# Allegro board 2522-mb-pro_vc.brd (continued)
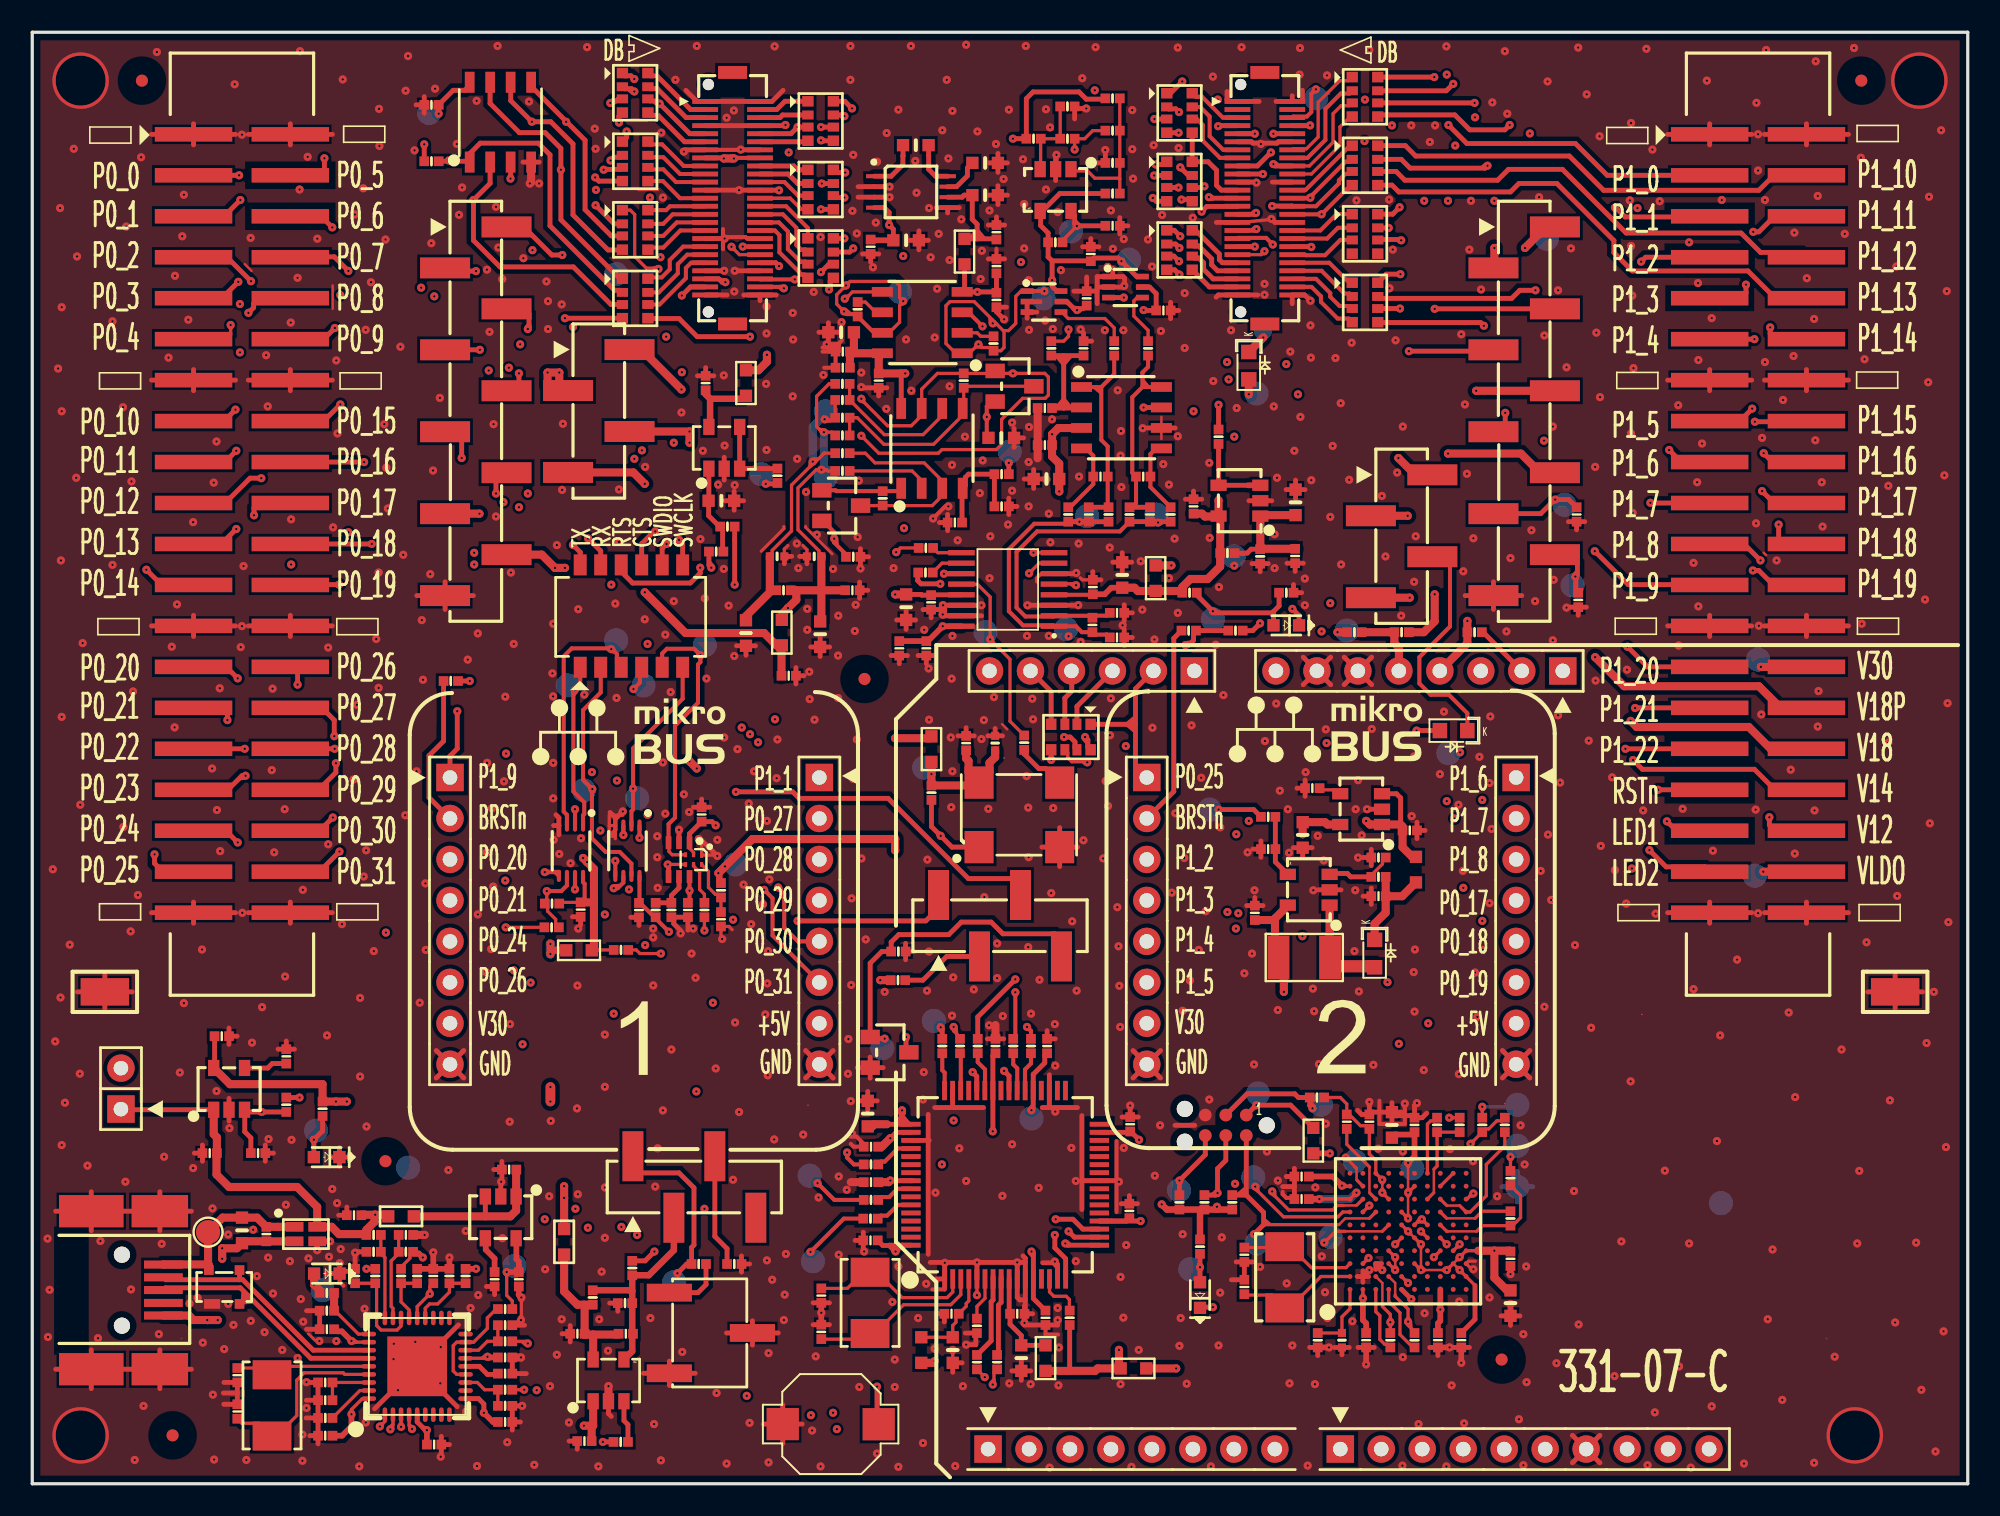
[diagram p0: board, top side]
## Routing (per net, layer and track width the routed paths; a pad name or vN(x,y) marks a point on that pad's centre or on a via; arc(x,y) is an arc through that point) (continued)
P0_9: length 48.8
  TOP w0.3: RN1.3 36.35,85.87 36.23,85.75 35.98,85.75 v1(35.84,85.61) ; v1(33.52,58.21) 33.98,57.76 33.98,56.98 ; J3.12 18.07,70.97 v1(18.76,71.66)
  L3_INT2 w0.15: v1(33.52,71.72) 32.65,71.72 32.27,72.1 19.2,72.1 v1(18.76,71.66)
  L5_INT4 w0.15: v1(33.52,58.21) v1(33.52,71.72) 33.52,80.42 35.84,82.74 v1(35.84,85.61)
P0_10: length 70.4
  TOP w0.3: v1(12.6,66.6) 11.89,65.89 J3.15 ; RN3.8 50.38,85.72 v1(50.83,85.28) ; 39.05,56.98 39.05,58.01 v1(39.33,58.27)
  L3_INT2 w0.15: v1(12.6,66.6) 14.79,68.79 27.14,68.79 29.47,71.12 v1(39.3,71.12)
  L5_INT4 w0.15: v1(50.83,85.28) 50.35,85.75 44.9,85.75 39.83,80.67 39.83,74.72 39.3,74.2 v1(39.3,71.12) 39.3,64.15 39.62,63.83 39.62,58.58 v1(39.33,58.27)
P0_11: length 67.3
  TOP w0.3: RN3.7 50.28,84.87 v1(50.35,84.8) ; 40.33,56.98 40.33,58.3 v1(40.1,58.52) ; v1(12.65,64.05) 11.95,63.35 J3.17
  L3_INT2 w0.15: v1(39.77,64.55) 39.75,64.58 13.18,64.58 v1(12.65,64.05)
  L5_INT4 w0.15: v1(50.35,84.8) 50.35,84.87 49.92,85.3 45.1,85.3 40.27,80.48 40.27,74.45 39.77,73.95 v1(39.77,64.55) 40.1,64.22 v1(40.1,58.52)
P0_12: length 93.8
  TOP w0.2: v1(29.35,34.5) 31.75,34.5
  TOP w0.3: J3.19 11.96,60.81 13.5,62.35 v1(14.2,62.35) ; RN1.1 36.76,87.3 37.12,87.3 v1(37.33,87.1)
  L3_INT2 w0.15: v1(14.2,62.35) 15.93,64.08 v1(37.8,64.08)
  L5_INT4 w0.15: v1(37.33,87.1) 37.8,86.62 v1(37.8,64.08) ; v1(29.35,34.5) 27.35,34.5 26.95,34.9 22.1,34.9 17.55,39.45 17.55,57.05 14.2,60.4 v1(14.2,62.35)
P0_13: length 53.6
  TOP w0.3: v1(37.33,86.33) 37.16,86.5 36.71,86.5 RN1.2 ; v1(12.65,59.2) 11.7,58.25 10.02,58.25 J3.21
  L3_INT2 w0.15: v1(37.33,63.55) 27.35,63.55 25.8,62 14.72,62 12.65,59.93 v1(12.65,59.2)
  L5_INT4 w0.15: v1(37.33,86.33) v1(37.33,63.55)
P0_14X: length 54.2
  TOP w0.3: J3.23 8.02,55.73 v1(7.08,56.67) ; v1(42.98,74.5) 42.77,74.5 42.56,74.71 J1.45
  L3_INT2 w0.15: v1(12.88,73.15) 29.8,73.15 30.6,73.95 35.6,73.95 36.15,74.5 v1(42.98,74.5)
  L5_INT4 w0.15: v1(7.08,56.67) 7.08,65.2 12.88,71 v1(12.88,73.15)
P0_15X: length 32
  TOP w0.3: J1.47 40.81,74.21 v1(40.27,73.67) ; v1(19.1,66.92) 18.07,65.89 J3.16
  L3_INT2 w0.15: v1(19.1,66.92) 20.45,68.28 32.88,68.28 33.52,68.92 v1(40.27,68.92)
  L5_INT4 w0.15: v1(40.27,73.67) v1(40.27,68.92)
P0_16: length 104.1
  TOP w0.3: RN4.7 v1(48.95,80.62) ; J8.3 61.27,37.08 60.83,37.52 58.03,37.52 53.06,42.5 47.55,42.5 47.15,42.9 v1(43.62,42.9) ; v1(20.57,63.35) J3.18
  L3_INT2 w0.15: v1(24.11,74.16) 24.67,74.72 28.4,74.72 33.43,79.75 36.62,79.75 37.1,79.28 47.6,79.28 48.95,80.62 v1(48.95,80.62) ; v1(43.62,42.9) 43.61,42.9 41.24,45.27 v1(29.38,45.27)
  L5_INT4 w0.15: v1(24.11,74.16) 20.57,70.62 v1(20.57,63.35) 20.57,52.3 27.6,45.27 v1(29.38,45.27)
P0_17: length 188.9
  TOP w0.3: RN4.5 v1(48.9,79.02) ; J3.20 14.05,60.81 13.75,60.51 v1(13.75,60.05)
  L3_INT2 w0.15: v1(21.93,34.17) 23.75,32.35 47.27,32.35 47.45,32.52 69.67,32.52 71.57,34.42 v1(74.62,34.42) 90.25,34.42 J18.4 ; v1(48.9,79.02) 48.9,79.02 48.12,78.25 33.5,78.25 29.45,74.2 24.82,74.2 24.32,73.7 v1(19.1,73.7)
  L5_INT4 w0.15: v1(19.1,73.7) 13.7,68.3 13.7,60.1 v1(13.75,60.05) 17,56.8 17,39.1 v1(21.93,34.17) ; v1(74.62,34.42) 74.62,19.82 70.45,15.65 70.45,6.2 J14.7
P0_18: length 177
  TOP w0.3: v1(50.35,79.75) 49.79,79.75 RN4.6 ; J3.22 21.05,58.27 v1(21.05,58.27)
  L3_INT2 w0.15: v1(24.93,73.62) 24.98,73.67 29.6,73.67 33.65,77.72 48.35,77.72 50.35,79.72 v1(50.35,79.75) ; v1(29.85,31.84) 47.41,31.84 47.75,32.17 49.85,32.17 50.02,32 67.97,32 68.15,32.17 70.4,32.17 72.18,33.95 v1(78.75,33.95) 90.35,33.95 90.67,33.63 J18.5
  L5_INT4 w0.15: J14.8 78.75,3.86 v1(78.75,33.95) ; v1(29.85,31.84) 29.85,49.48 v1(21.05,58.27) 21.05,70.4 24.27,73.62 v1(24.93,73.62)
P0_19: length 155.9
  TOP w0.3: J3.24 16.02,55.75 v1(19.02,55.75) ; RN2.2 36.47,82.25 36.05,82.25 v1(35.85,82.05)
  L3_INT2 w0.15: v1(84.03,31.1) 84.03,31.09 J18.6 ; v1(19.02,55.75) v1(35.9,55.75) 42.82,55.75 43.3,56.23 54.23,56.23 55.42,55.02 80.05,55.02 v1(80.47,54.6)
  L5_INT4 w0.15: v1(35.85,82.05) 35.9,82 v1(35.9,55.75) ; J12.1 81.1,13.57 84.33,16.8 84.33,26.75 84.03,27.05 v1(84.03,31.1) 84.03,48.77 83.5,49.3 83.5,51.58 v1(80.47,54.6)
P0_20: length 159.7
  TOP w0.3: RN2.1 36.85,83.48 v1(36.85,83.85) ; J3.27 12.03,50.65 v1(12.74,49.94)
  L3_INT2 w0.15: v1(37,36.85) 36.35,36.2 28.41,36.2 J15.3 25.84,38.65 17.73,38.65 12.68,43.7 12.68,49.87 v1(12.74,49.94) ; J12.2 82.39,3.4 49.9,3.4 v1(49.89,3.39)
  L5_INT4 w0.15: v1(49.89,3.39) 48.45,4.83 46.5,4.83 37,14.32 v1(37,36.85) 37.18,37.03 37.18,42.31 37.75,42.88 37.75,49.65 37.35,50.05 37.35,62.62 36.85,63.12 v1(36.85,83.85)
P0_21: length 157.2
  TOP w0.3: v1(35.42,81.47) 35.45,81.5 36.47,81.5 RN2.3 ; v1(12.1,47.35) 12.1,47.81 11.8,48.11 J3.29
  L3_INT2 w0.15: v1(12.1,47.35) 12.1,43.55 19.48,36.17 J15.4 27.58,36.17 28.12,35.62 35.17,35.62 v1(35.5,35.3) ; J12.3 84.43,3.9 48.62,3.9 v1(48.27,4.25)
  L5_INT4 w0.15: v1(35.42,81.47) 35.42,51.12 35.7,50.85 35.7,39.47 35.5,39.27 v1(35.5,35.3) 35.5,28.85 36.05,28.3 36.05,14.45 46.25,4.25 v1(48.27,4.25)
P0_22X: length 66.3
  TOP w0.3: J1.42 46.09,75.71 v1(46.3,75.5) ; v1(13.18,45.57) J3.31
  L3_INT2 w0.15: v1(13.18,45.57) 15.01,47.4 v1(46.05,47.4)
  L5_INT4 w0.15: v1(46.05,47.4) 46.12,47.48 46.12,74.85 46.3,75.03 v1(46.3,75.5)
P0_23X: length 68.2
  TOP w0.2: J1.40 43.84,76.21 v1(43.35,76.7)
  TOP w0.3: J3.33 12.13,43.03 13,43.9 v1(13.22,43.9)
  L3_INT2 w0.15: v1(43.99,46.89) 43.95,46.85 15.25,46.85 13.22,44.82 v1(13.22,43.9)
  L5_INT4 w0.15: v1(43.99,46.89) 44.02,46.92 44.02,76.03 v1(43.35,76.7)
P0_24: length 154
  TOP w0.2: RN10.1 37.08,78.97 37.35,78.7 37.35,76.1 38.07,75.38 38.77,75.38 v1(38.83,75.33)
  TOP w0.3: J3.35 12.01,40.49 v1(12.74,39.76)
  L3_INT2 w0.15: v1(38,33.4) 38,33.42 37.48,33.95 28.22,33.95 27.9,33.63 J15.5 24,35.52 16.98,35.52 v1(12.74,39.76) ; J12.4 86.47,4.4 v1(49.65,4.4)
  L5_INT4 w0.15: v1(49.65,4.4) 48.62,5.42 46.62,5.42 38,14.05 v1(38,33.4) 38,36.02 38.17,36.2 38.17,40.67 38.62,41.12 38.62,58.3 39.15,58.83 39.15,63.48 38.83,63.8 v1(38.83,75.33)
P0_25: length 61.4
  TOP w0.3: v1(7.58,39.02) 7.58,38.47 8.1,37.95 J3.37 ; RN13.4 v1(33.02,72.27)
  L3_INT2 w0.15: v1(12.88,70.15) 15.38,72.65 32.65,72.65 v1(33.02,72.27)
  L5_INT4 w0.15: v1(7.58,39.02) 7.58,64.86 v1(12.88,70.15)
P0_26: length 184.6
  TOP w0.3: J3.28 16.15,50.65 16.45,50.35 v1(16.45,49.55) ; v1(50.4,81.3) 49.84,81.3 RN4.8
  L3_INT2 w0.15: v1(31.27,5.8) 32.15,4.92 88.48,4.92 J12.5 ; v1(50.4,81.3) 47.88,78.78 33.3,78.78 v1(31.01,76.49) ; v1(30.9,31.07) 30.89,31.09 J15.6
  L5_INT4 w0.15: v1(31.01,76.49) 31.3,76.2 31.3,61.11 30.9,60.71 v1(30.9,31.07) 30.9,12.88 31.27,12.5 v1(31.27,5.8) ; v1(16.45,49.55) 16.45,38.75 24.11,31.09 J15.6
P0_27: length 157.8
  TOP w0.3: J3.30 17.96,48.11 18.73,47.35 v1(18.73,46.35) ; v1(50.35,77.22) RN11.8
  L3_INT2 w0.15: v1(87.7,42.33) 87.2,42.33 87.05,42.48 68.6,42.48 67.38,41.25 J16.2 46.82,41.25 41.77,46.3 18.77,46.3 v1(18.73,46.35)
  L5_INT4 w0.15: J12.6 93.8,21.63 87.7,27.73 v1(87.7,42.33) ; J16.2 50.32,41.25 51.88,42.8 51.88,73.97 50.35,75.5 v1(50.35,77.22)
P0_28: length 163
  TOP w0.3: v1(50.9,76.6) 50.67,76.37 RN11.7 ; v1(18.75,45.57) J3.32
  L3_INT2 w0.15: v1(88.17,41.25) 86.55,39.62 70.65,39.62 70.32,39.95 68.45,39.95 67.72,40.67 50.77,40.67 J16.3 48.59,38.71 41.55,45.75 18.98,45.75 18.8,45.57 v1(18.75,45.57)
  L5_INT4 w0.15: J16.3 52.35,42.26 52.35,74.25 50.9,75.7 v1(50.9,76.6) ; J12.9 94.44,9.13 94.44,21.79 88.17,28.05 v1(88.17,41.25)
P0_29: length 181.2
  TOP w0.3: v1(34.9,81) 35.13,80.77 RN2.4 ; v1(18.82,44.67) 18.82,44.1 17.8,43.08 16.05,43.08 J3.34
  L3_INT2 w0.15: J12.10 100.66,5.45 v1(44.3,5.45) ; v1(18.82,44.67) 19.35,45.2 26.52,45.2 27.6,44.12 v1(34.7,44.12) 40.48,44.12 48.43,36.17 J16.4
  L5_INT4 w0.15: v1(34.9,81) 34,80.1 34,58.37 34.45,57.92 34.45,50.55 34.7,50.3 v1(34.7,44.12) 34.25,43.67 34.25,42.8 34.66,42.39 34.66,39.44 34.95,39.15 34.95,14.8 v1(44.3,5.45)
P0_30: length 81.8
  TOP w0.25: v1(46.25,36.98) 46.62,36.6 46.62,34.48 47.47,33.63 J16.5
  TOP w0.3: RN1.4 36.38,84.81 v1(36.38,84.4) ; v1(18.64,41.31) 17.82,40.49 J3.36
  L3_INT2 w0.15: v1(46.25,36.98) 46.25,37.63 40.28,43.6 v1(36.25,43.6) 31.92,43.6 30.85,42.52 19.85,42.52 v1(18.64,41.31)
  L5_INT4 w0.15: v1(36.38,84.4) 36.38,62.85 36.88,62.35 36.88,49.68 36.8,49.6 36.8,44.15 v1(36.25,43.6)
P0_31: length 80.2
  TOP w0.25: J16.6 45.9,33.99 45.9,36.3 v1(45.38,36.83)
  TOP w0.3: v1(34.92,79.28) 36.08,78.12 RN10.2 ; J3.38 17.8,37.95 v1(19.05,39.2)
  L3_INT2 w0.15: v1(45.38,36.83) 42.77,39.42 36.3,39.42 v1(35.23,40.5) 32.17,40.5 31.65,39.98 19.82,39.98 v1(19.05,39.2)
  L5_INT4 w0.15: v1(35.23,40.5) 35.2,40.52 35.2,50.65 34.92,50.93 v1(34.92,79.28)
P1_0: length 95.6
  TOP w0.3: J4.3 97.64,81.13 95.67,83.1 88.95,83.1 v1(87.8,84.25) ; v1(41.41,56.8) 41.41,56.46 40.8,55.85 37.22,55.85 36.52,56.55 36.52,56.98 ; v1(69.58,84.62) RN5.3
  L3_INT2 w0.15: v1(87.8,84.25) 87.33,84.72 72.62,84.72 72.3,84.4 70.88,84.4 70.66,84.62 v1(69.58,84.62) 69.57,84.62 51,84.62 48.92,82.55 v1(46.9,82.55)
  L5_INT4 w0.15: v1(46.9,82.55) 42.42,78.08 42.42,74.25 43.52,73.15 43.52,63.8 43.08,63.35 43.08,58.88 41.41,57.21 v1(41.41,56.8)
P1_1: length 23.5
  TOP w0.3: RN7.6 v1(89.42,85.62) ; v1(98.12,79.12) 98.17,79.12 98.75,78.55 103.96,78.55 J4.5
  L5_INT4 w0.15: v1(98.12,79.12) 95.92,79.12 v1(89.42,85.62)
P1_6: length 50.8
  TOP w0.3: J4.17 102.24,63.35 v1(101.49,64.1) ; RN5.4 v1(71.08,83.77)
  L3_INT2 w0.15: v1(71.08,83.77) 71.22,83.62 74.65,83.62 75.22,84.2 78.4,84.2 78.88,83.72 v1(92.85,83.72)
  L5_INT4 w0.15: v1(92.85,83.72) 96.4,80.17 99.35,80.17 101.49,78.04 v1(101.49,64.1)
P1_9: length 41.7
  TOP w0.3: v1(96.88,57.83) 98.95,55.75 103.98,55.75 J4.23 ; RN8.7 84.88,82.12 85.42,81.58 90.08,81.58 v1(90.22,81.72)
  L5_INT4 w0.15: v1(96.88,57.83) 91.85,62.85 91.85,80.1 v1(90.22,81.72)
P1_10: length 28.1
  TOP w0.3: J4.4 107.98,81.13 107.05,80.2 97.42,80.2 95.3,82.33 85.78,82.33 85.13,82.97 RN8.8
P1_11: length 27.3
  TOP w0.3: J4.6 109.97,78.62 108.05,78.62 107.05,77.62 v1(106.7,77.62) ; RN12.7 v1(84.1,77.87)
  L3_INT2 w0.15: v1(106.7,77.62) 97.62,77.62 97.17,78.08 84.31,78.08 v1(84.1,77.87)
P1_12: length 29.3
  TOP w0.3: J4.8 109.7,76.35 107.15,76.35 105.95,77.55 98.82,77.55 94.87,81.5 91.52,81.5 90.85,80.83 85.1,80.83 84.56,81.37 RN8.6
P1_13: length 30.4
  TOP w0.3: RN8.5 84.3,80.52 84.72,80.1 91.65,80.1 92.18,80.62 94.53,80.62 98.06,77.09 98.06,76.34 99.2,75.2 106.37,75.2 108.06,73.51 J4.10
P1_14: length 35.3
  TOP w0.3: J4.12 108.1,70.97 107.75,71.32 v1(107.75,71.7) ; RN12.8 84.34,78.72 v1(84.78,79.15)
  L3_INT2 w0.15: v1(84.78,79.15) 84.85,79.08 97.2,79.08 98.38,80.25 105.9,80.25 107.75,78.4 v1(107.75,71.7)
P1_15: length 44.2
  TOP w0.3: RN6.2 70.88,76.87 v1(71.12,76.62) ; v1(106.8,65.85) 109.96,65.85 J4.16
  L3_INT2 w0.15: v1(106.8,65.85) 106.15,65.85 96.05,75.95 71.8,75.95 v1(71.12,76.62)
P1_16: length 44.9
  TOP w0.3: v1(71.1,75.8) 70.78,76.12 RN6.3 ; J4.18 107.9,63.35 v1(107.35,63.9)
  L3_INT2 w0.15: v1(107.35,63.9) 95.78,75.47 71.42,75.47 v1(71.1,75.8)
P1_17: length 46.2
  TOP w0.3: J4.20 107.99,60.81 v1(107.25,61.55) ; v1(71.12,74.97) 70.83,75.27 RN6.4
  L3_INT2 w0.15: v1(71.12,74.97) 84.1,74.97 84.55,74.53 95.17,74.53 107.25,62.45 v1(107.25,61.55)
P1_18: length 38.7
  TOP w0.3: v1(108.28,59.48) 108.28,58.57 108.58,58.27 J4.22 ; RN12.6 83.45,77.15 84.83,77.15 v1(84.88,77.1)
  L3_INT2 w0.15: v1(108.28,59.48) 108.28,65.82 97,77.1 v1(84.88,77.1)
P1_19: length 39.9
  TOP w0.3: v1(106.67,56.63) 107.04,56.63 107.94,55.73 J4.24 ; RN15.8 83.95,75 v1(84.83,75)
  L3_INT2 w0.15: v1(84.83,75) 95.45,75 107.75,62.7 107.75,58.55 106.67,57.47 v1(106.67,56.63)
P1_20: length 40.1
  TOP w0.3: J4.27 100.15,50.65 v1(98.9,51.9) ; RN15.7 83.54,73.5 91.73,73.5 92.23,74 v1(93.2,74)
  L5_INT4 w0.15: v1(98.9,51.9) 98.9,58.65 93.2,64.35 v1(93.2,74)
P1_21: length 37.2
  TOP w0.3: J4.29 99.39,48.11 v1(99.38,48.1) ; RN15.6 v1(84.8,72.87)
  L3_INT2 w0.15: v1(84.8,72.87) 85.53,72.87 v1(93.73,64.67)
  L5_INT4 w0.15: v1(93.73,64.67) 99.38,59.03 v1(99.38,48.1)
P1_22: length 41.8
  TOP w0.3: RN15.5 83.44,72 89.8,72 v1(90,71.8) ; v1(98.78,45.57) J4.31
  L5_INT4 w0.15: v1(90,71.8) 90,62.8 96.28,56.52 96.28,48.07 v1(98.78,45.57)
PA4: length 3.8
  TOP w0.2: U4.G10 86.5,22.3 86.7,22.5 86.9,22.5 R8.2
PA15: length 7.8
  TOP w0.152: 89.55,15.65 87.75,15.65
  TOP w0.2: U4.H6 87.7,15.65 87.75,15.65 ; R15.2 92.28,17.88 92.28,16.5 91.78,16 R14.1 89.9,16 89.55,15.65
PA17: length 8
  TOP w0.152: 88.5,17.25 87.7,17.25
  TOP w0.2: R16.2 91.3,20.95 90.15,19.8 90.15,17.85 89.15,16.85 U4.K7 88.5,17.25 ; 87.7,17.25 U4.H8
PA18: length 4.7
  TOP w0.152: 89.46,16.46 87.69,16.46
  TOP w0.2: 87.69,16.46 U4.H7 ; R14.2 91.65,16.9 89.9,16.9 89.46,16.46
PA22: length 11.3
  TOP w0.2: v1(89.17,21.07) R17.2 90.1,22 90.3,22 90.8,22.5 91.1,22.5 R16.1 ; U4.H4 v1(86.9,14.05)
  L3_INT2 w0.15: v1(89.17,21.07) 88.85,20.75 88.85,18.45 86.97,16.57 86.97,14.12 v1(86.9,14.05)
PA29: length 14.2
  TOP w0.3: v1(73.2,10.95) 72.44,10.95 D2.1 ; U4.E1 v1(85.5,11.45)
  L3_INT2 w0.15: v1(73.2,10.95) 82.95,10.95 83.45,11.45 v1(85.5,11.45)
PWM1: length 56.7
  TOP w0.3: RN9.2 v1(69.56,81.12)
  L3_INT2 w0.15: v1(67.8,45.74) 62.59,45.74 61.58,44.73 49.73,44.73 J16.1
  L5_INT4 w0.15: v1(67.8,45.74) 67.8,49.2 68.2,49.6 68.2,79.78 69.55,81.12 v1(69.56,81.12)
PWM2: length 56.8
  TOP w0.3: RN9.1 70.17,81.8 v1(69.65,81.8)
  L3_INT2 w0.15: v1(69.65,81.8) 70.42,81.03 73.3,81.03 74.12,80.2 85.65,80.2 v1(86.3,79.55)
  L5_INT4 w0.15: v1(86.3,79.55) 86.3,55.02 89.53,51.8 90.08,51.8 91.1,50.78 91.1,44.69 J18.1
PWR_ENABLE: length 161.5
  TOP w0.2: R129.2 30.59,8.83 v1(30.73,8.7) ; v1(30.5,5.83) R124.2
  TOP w0.3: R24.2 v1(35.38,2.6) ; R71.2 v1(16.57,23.95) ; v1(73.55,41.8) 75.73,41.8 R85.1
  L3_INT2 w0.15: v1(29.55,69.2) 29.73,69.38 69.12,69.38 v1(72,66.5) ; v1(30.5,5.83) 30.5,5.83 33.72,2.6 35.37,2.6 v1(35.38,2.6) ; v1(16.57,23.95) 19.88,27.25 v1(30.4,27.25)
  L5_INT4 w0.15: v1(72,66.5) 72,53.25 70.95,52.2 70.95,44.4 v1(73.55,41.8) ; v1(30.5,5.83) 30.82,6.16 30.82,8.6 v1(30.73,8.7) 30.8,8.78 30.8,12.12 30.4,12.53 v1(30.4,27.25) 30.4,59.55 29.7,60.25 29.7,69.05 v1(29.55,69.2)
RSTN: length 68.5
  TOP w0.25: J2.6 78.19,84.78 79.03,84.78 79.3,85.05 79.3,86.17 v1(79.59,86.46)
  TOP w0.3: v1(85.83,46.7) D3.2 ; v1(100.8,43.03) J4.33
  L3_INT2 w0.15: v1(85.83,46.7) 93.83,46.7 97.5,43.03 v1(100.8,43.03)
  L5_INT4 w0.15: v1(79.59,86.46) 82.15,83.9 82.73,83.9 85.83,80.8 85.83,59.6 84.85,58.62 84.85,54.58 86,53.42 86,49.9 85.83,49.73 v1(85.83,46.7)
  BOTTOM w0.15: 80.4,86.2 v1(79.59,86.46)
SWO/TDO: length 17.2
  TOP w0.152: 81.31,17.26 82.11,17.26 82.15,17.3
  TOP w0.2: 81.31,17.26 80.91,17.26 80.62,16.98 77.9,16.98 76.88,18 v1(76.88,18.12) ; 82.15,17.3 U4.B8
  TOP w0.3: J7.6 72.73,20.41 v1(71.12,18.8) R13.2
  L3_INT2 w0.15: v1(76.88,18.12) 75.83,19.18 71.5,19.18 v1(71.12,18.8)
T_RESET: length 77.4
  TOP w0.2: v1(87.85,22.7) R9.1 ; R81.2 57.52,27.68 57.12,28.08 v1(57.12,28.32)
  TOP w0.5: J10.4 v1(85.4,54.94)
  L3_INT2 w0.15: v1(57.12,22.52) 68.33,22.52 71.17,19.68 76.75,19.68 79.95,22.88 87.67,22.88 v1(87.85,22.7)
  L5_INT4 w0.15: v1(57.12,28.32) v1(57.12,22.52) ; v1(85.4,54.94) 88.53,51.81 v1(88.53,45.35) 88.53,43.88 87.22,42.58 87.22,23.38 87.85,22.75 v1(87.85,22.7)
T_SWCLK: length 68.1
  TOP w0.2: v1(89.9,23.38) R17.1
  TOP w0.25: v1(36.05,36.92) 36.3,36.92 36.65,37.28 U22.6
  L3_INT2 w0.15: v1(36.05,29.15) 40.35,24.85 88.42,24.85 v1(89.9,23.38)
  L5_INT4 w0.15: v1(36.05,36.92) v1(36.05,29.15)
  BOTTOM w0.2: TP77.1 91.95,23.38 v1(89.9,23.38)
T_SWDIO: length 73.3
  TOP w0.2: v1(38.98,32.88) 37.67,32.88 37.45,33.1 R1.2 ; U3.4 39.45,38.4 ; R15.1 v1(91.65,20.27)
  TOP w0.3: v1(39.4,38.4) 39.45,38.4 U21.4
  L3_INT2 w0.15: v1(91.65,20.27) 91.65,20.93 88.25,24.32 v1(41.17,24.32)
  L5_INT4 w0.15: v1(39.4,38.4) 39.4,34.85 38.98,34.42 v1(38.98,32.88) 41.17,30.68 v1(41.17,24.32)
  BOTTOM w0.5: TP76.1 v1(91.65,20.27)
TCK/SWCLK: length 14
  TOP w0.2: U4.A7 81.25,16.85 80.95,16.55 77.58,16.55 75.83,18.3 v1(75.83,18.43)
  TOP w0.3: J7.4 74,20.05 73.49,19.54 v1(73.49,18.02) 73.36,17.9 R11.2
  L3_INT2 w0.15: v1(73.49,18.02) 75.42,18.02 v1(75.83,18.43)
TDI: length 2.2
  TOP w0.152: 82.11,19.56 82.11,18.84 82.15,18.8
  TOP w0.2: v1(81.44,20.23) 82.11,19.56 ; 82.15,18.8 U4.B9
TDIIN: length 5
  TOP w0.2: v1(89.35,18) 89.3,18 88.95,17.65 U4.K8 ; U4.H5 v1(87.7,14.85)
  L3_INT2 w0.15: v1(87.7,14.85) 87.7,16.35 v1(89.35,18)
TMS/SWDIO: length 15
  TOP w0.152: 82.9,16.45 81.4,16.45 81.02,16.07
  TOP w0.2: 81.02,16.07 76.34,16.07 ; U4.C7 82.9,16.45
  TOP w0.3: 75.27,17.9 76.34,16.82 76.34,16.07 v1(75.75,15.47) ; 75.27,17.9 J7.2 ; 75.27,17.9 R10.2
TRSTIN: length 1.1
  TOP w0.2: U4.H9 U4.J10
U_CTS: length 54.8
  TOP w0.25: U22.3 v1(36.65,40.23)
  TOP w0.3: v1(64.25,15.65) 64.61,15.29 U12.18
  L3_INT2 w0.15: v1(64.25,15.65) 63.98,15.93 v1(36.52,15.93)
  L5_INT4 w0.15: v1(36.65,40.23) 36.65,37.8 36.52,37.67 v1(36.52,15.93)
U_RTS: length 58.6
  TOP w0.25: U23.5 32.65,37.94 31.77,37.94 v1(31.77,37.92) 32.41,37.92 U23.5
  TOP w0.3: U12.19 65.14,15.79 64.53,16.4 v1(63.45,16.4)
  L3_INT2 w0.15: v1(31.77,16.4) v1(63.45,16.4)
  L5_INT4 w0.15: v1(31.77,37.92) 31.43,37.58 31.43,16.75 v1(31.77,16.4)
U_RX: length 54.4
  TOP w0.25: v1(37.65,40.05) U22.1
  TOP w0.3: v1(63.4,15.43) 63.4,14.62 64.07,13.96 U12.16
  L3_INT2 w0.15: v1(37.5,15.43) v1(63.4,15.43)
  L5_INT4 w0.15: v1(37.5,15.43) 37.5,36.35 37.65,36.5 v1(37.65,40.05)
U_TX: length 54.3
  TOP w0.25: U23.7 v1(33.65,36.85)
  TOP w0.3: U12.17 64.21,14.79 64.1,14.9 v1(64.05,14.9)
  L3_INT2 w0.15: v1(34.45,15.88) 35.7,15.88 36.62,14.95 64,14.95 v1(64.05,14.9)
  L5_INT4 w0.15: v1(33.65,36.85) 34.45,36.05 v1(34.45,15.88)
UCTS: length 14.3
  TOP w0.25: v1(37.27,49.27) 37.67,49.67 37.67,50.52 S1.4 ; v1(36.15,38.62) U22.5
  L5_INT4 w0.15: v1(36.15,38.62) 36.15,42.8 37.27,43.92 v1(37.27,49.27)
  BOTTOM w0.15: TP52.1 37.41,49.45 37.27,49.29 v1(37.27,49.27)
URTS: length 15.2
  TOP w0.25: U23.3 33.15,41.48 32.95,41.68 32.95,51.3 33.45,51.8 35.85,51.8 v1(35.9,51.75) 35.95,51.75 36.25,51.45 36.25,50.89 S1.3
URX: length 15.2
  TOP w0.25: S1.2 35.24,49.06 34.15,47.97 34.15,43.65 v1(34.73,43.08) 34.7,43.05 34.7,40.03 35.55,39.17 36.42,39.17 37.15,38.45 U22.7
USBDM: length 15.2
  TOP w0.3: U11.30 17.42,8.28 13.05,12.65 12.82,12.65 ; 12.82,12.65 12.85,12.68 D7.3 ; 12.82,12.65 8.28,12.65 USB1.2
USBDM_1: length 73.2
  TOP w0.152: U4.D2 84.5,12.45 84.5,11.7
  TOP w0.2: 84.5,11.7 84.5,11.62 85.3,10.82 v1(85.3,10.05) 85.3,9.83 85.7,9.43 R19.2 ; v1(21.55,3.55) 21.86,3.87 U11.1
  L3_INT2 w0.15: v1(85.3,10.05) 84.83,10.52 84,10.52 82.98,9.5 25.2,9.5 21.88,6.18 21.88,3.88 v1(21.55,3.55)
USBDM_2: length 39.1
  TOP w0.2: R52.1 v1(59.06,6.61) ; v1(22.86,3.52) U11.3
  L3_INT2 w0.15: v1(59.06,6.61) 58.89,6.61 58.65,6.85 26.57,6.85 23.57,3.85 23.19,3.85 v1(22.86,3.52)
USBDP: length 15.4
  TOP w0.3: U11.31 17.27,7.78 13.42,11.62 ; USB1.3 8.27,12.15 12.9,12.15 13.42,11.62 ; 13.42,11.62 12.95,11.15 D7.2
USBDP_1: length 71.2
  TOP w0.152: U4.C2 83.71,12.44 83.71,10.99
  TOP w0.2: v1(22.2,3.38) 22.2,3.52 22.36,3.68 U11.2 ; 83.71,10.99 84.2,10.5 v1(84.2,10.02) R20.2
  L3_INT2 w0.15: v1(84.2,10.02) 83.92,10.02 83.1,9.2 25.32,9.2 22.18,6.05 22.18,3.4 v1(22.2,3.38)
USBDP_2: length 39.5
  TOP w0.2: U11.4 23.36,3.63 23.55,3.45 v1(23.55,3.39) ; R53.1 59.62,6.9 59.62,6.22 v1(59.55,6.15)
  L3_INT2 w0.15: v1(59.55,6.15) 58.85,6.15 58.45,6.55 26.7,6.55 23.55,3.4 v1(23.55,3.39)
UTX: length 10.3
  TOP w0.25: U23.1 34.15,41.45 34.23,41.52 34.23,42.25 33.55,42.93 33.55,49.13 v1(33.63,49.21) 33.98,49.55 S1.1
VBG: length 4.4
  TOP w0.2: U4.A1 81.7,10.85 81.2,10.35 C19.2 81.2,9.35 R21.1
VGS: length 6.8
  TOP w0.3: R150.1 R151.1 58.05,62.6 57.85,62.4 57.85,61.89 U6.4 57.65,61.69 C118.2
VLDO: length 58.2
  TOP w0.5: v1(32.98,18.45) v1(32.98,17.73) LP5.1 ; J9.2 32.67,68.33 v1(32.67,68.9) v1(31.95,68.9) 31.95,68.05
  L5_INT4 w0.5: v1(32.98,17.73) v1(32.98,18.45) 32.98,37.77 31.55,39.2 31.55,60.36 31.95,60.76 v1(31.95,68.9) v1(32.67,68.9)
VLED: length 8.9
  TOP w0.2: v1(76.4,76.42) 76.19,76.21 J2.39
  TOP w0.5: D9.1 v1(76.33,71.08)
  L5_INT4 w0.3: v1(76.33,71.08) 76.97,71.72 76.97,75.85 v1(76.4,76.42)
VOVL: length 55.9
  TOP w0.2: 55.14,66.65 55.14,66.24 54.5,65.6 53.03,65.6 51.4,67.23 v1(51.4,67.28) ; U6.7 55.15,67.87 56.12,68.85 R311.2 59.55,68.85 Q2.1 59.7,68.95 59.8,68.85 v1(60.8,68.85) 62.77,68.85 63,68.62 63,67.5 62.8,67.3 61.4,67.3 60.1,66 60.1,64.45 59.77,64.12 56.4,64.12 56.18,63.9 52.48,63.9 v1(51.4,64.98)
  TOP w0.25: 55.14,66.65 55.15,66.66 U6.7
  TOP w0.3: v1(60.8,83.4) R119.1 61.63,85.88 62.05,86.3 64.9,86.3 65.35,85.85 66.48,85.85 R138.2
  L3_INT2 w0.5: v1(51.4,67.28) v1(51.4,64.98)
  L5_INT4 w0.15: v1(60.8,68.85) v1(60.8,83.4)
VREF: length 78.1
  TOP w0.2: v1(64.63,82.72) 64.63,83.4 65.25,83.4 65.75,83.9 R117.1 ; v1(64.25,71.58) 64.25,71.15 63.95,70.85 R95.2
  TOP w0.3: R147.1 43.55,58.53 43.55,58.52 v1(43.55,55.75) ; R79.1 v1(73.55,66.9)
  TOP w0.35: C84.2 C43.2 55.53,52.25 v1(56.45,53.17) U8.16
  L3_INT2 w0.15: v1(43.55,55.75) 53.87,55.75 v1(56.45,53.17) 56.88,53.6 63.2,53.6 v1(64.25,52.55) ; v1(73.55,66.9) 68.4,72.05 64.73,72.05 64.25,71.58 v1(64.25,71.58)
  L5_INT4 w0.15: v1(64.63,82.72) 64.63,79.18 64.25,78.8 v1(64.25,71.58) v1(64.25,52.55)
VREG: length 40.3
  TOP w0.3: U12.64 53.94,14.79 ; 53.94,14.79 53.55,14.4 v1(53.52,14.4) 53.5,14.4 53.12,14.78 ; 53.94,14.79 53.14,14.79 53.12,14.78 ; 53.92,22.29 53.92,23.01 ; 53.92,22.29 52.99,22.29 ; 53.92,22.29 U12.49 ; 53.12,14.78 52.73,14.78 C49.2 ; C47.1 62.77,26.55 62.77,26.1 62.06,25.39 U12.37 62.06,23.27 v1(61.95,23.16) ; v1(61.95,14.4) 62.07,14.28 U12.12 62.07,11.49 C48.2
  TOP w0.5: C61.1 52.08,22.16 52.21,22.29 52.99,22.29 ; 53.92,23.01 v1(53.92,23.15)
  L3_INT2 w0.5: v1(61.95,23.16) 54.81,23.16 54.8,23.15 v1(53.92,23.15) ; v1(61.95,14.4) v1(53.52,14.4)
  L5_INT4 w0.5: v1(53.92,23.15) 53.92,14.8 v1(53.52,14.4)
VS-: length 70.7
  TOP w0.2: 49.78,62.8 49.3,62.8 49.23,62.88 v1(48.93,62.88) 48.6,62.88 47.48,61.75 47.48,59.15 48.77,57.85 48.77,57.65 48.93,57.49 ; 49.78,68.2 49.4,68.2 48.63,67.43 48.63,65.55 48.98,65.2 v1(49.08,65.2) 49.58,65.2 49.78,65
  TOP w0.3: R314.2 38,13.82 v1(38.58,14.4) ; 46.85,54.29 v1(46.85,54.3)
  TOP w0.5: C28.2 48.93,57.5 48.92,57.49 48.92,55.4 ; C122.1 48.92,55.4 ; 48.92,55.4 48.92,53.54 R306.1 ; 48.92,55.4 47.37,55.4 ; LP4.1 46.48,53.91 47.37,54.81 47.37,55.4 ; 47.37,55.4 R28.1
  L5_INT4 w0.3: v1(46.85,54.3) 46.85,20.42 40.83,14.4 v1(38.58,14.4)
  BOTTOM w0.5: v1(48.93,62.88) 49.08,63.02 v1(49.08,65.2)
VX5V: length 71.9
  TOP w0.5: J11.5 84.73,51.63 84.73,51.63 84.73,51.85 84.45,52.12 R305.2 R307.2
  L3_INT2 w0.5: J16.7 54.35,28.55 55.62,27.28 v1(84.73,27.28) 90.73,27.28 J18.7
  L5_INT4 w0.5: J11.5 v1(84.73,27.28)
XIN: length 7.7
  TOP w0.2: U4.A2 79.9,12.85 77.95,10.9 Y1.1 76.85,11.7 75.2,11.7 C17.1
XOUT: length 7.2
  TOP w0.2: 75.15,14.65 77.6,14.65 Y1.2 78,14.7 79.3,13.4 81.45,13.4 U4.A3
N17073868: length 5
  TOP w0.3: J7.1 75.89,23.48 v1(75.9,23.48) 78.02,23.48 LP2.1
N17073961: length 5.8
  TOP w0.152: 86.9,18.05 86.9,19.5
  TOP w0.2: 86.9,19.5 87.1,19.7 R8.1 R9.2 ; U4.G8 86.9,18.05
N17077772: length 10.3
  TOP w0.3: U13.3 28.09,16.59 28.07,16.58
  TOP w0.5: LP8.1 29.65,16.58 30,16.93 U13.1 30,19.47 C75.2
N17077776: length 2.7
  TOP w0.3: U14.4 13.16,25.77 14.6,25.77 14.88,26.05 C78.2
N17077811: length 2.3
  TOP w0.3: U13.4 28.09,15.11 28.11,15.09
  TOP w0.35: 28.11,15.09 28.11,15.08 28.11,14.51 28.66,13.96 28.66,13.13
N17078999: length 1.3
  TOP w0.5: D4.2 v1(17.47,12.35) 17.82,12.01 R55.2
N17079038: length 2.2
  TOP w0.3: U11.14 27.72,7.28 28.22,6.78 28.64,6.78 28.69,6.83 C58.2
N17079102: length 3.2
  TOP w0.2: U11.12 27.59,6.28 28.05,5.83 R124.1 R50.1
N17079104: length 8.5
  TOP w0.2: U11.32 15.39,7.28 Y3.1 14.54,6.75 14.12,7.18 12.71,7.18
N17079112: length 11.6
  TOP w0.2: U11.33 19.38,6.78 19.27,6.88 16.86,6.88 16.4,6.42 16.4,4.22 15.13,2.96 Y3.2 14.07,3.75 13,3.75 C64.1
N17079122: length 3.2
  TOP w0.2: R49.1 R129.1 28.21,8.83 27.66,8.28 U11.16
N17079130: length 5.4
  TOP w0.2: C59.2 R48.2 22.72,14.28 22.25,13.81 22.25,10.99 22.36,10.88 U11.26
N17079172: length 3.4
  TOP w0.2: C65.1 C66.1 U11.34
N17079184: length 3
  TOP w0.2: U11.35 20.32,5.78 18.79,4.25 18.78,4.25 R54.1
N17079186: length 6.5
  TOP w0.2: R46.2 28.77,10.83 28.21,10.28 28.21,9.63 27.37,8.78 U11.17 26.32,8.78 26.1,8.56 26.1,7 26.32,6.78 U11.13
N17079220: length 11.2
  TOP w0.3: 15.25,15.93 15.26,15.92 15.28,15.92
  TOP w0.5: USB1.1 8.14,13.6 10.89,13.6 10.9,13.61 ; D7.4 10.95,13.56 10.9,13.61 ; 10.9,13.61 TP74.1 11.8,16.5 C57.1 13.94,16.5 C62.1 14.52,15.93 L1.1
N17079268: length 19.2
  TOP w0.5: v1(11.5,10.15) v1(10.85,10.15) 10,10.15 9.72,10.43 USB1.5 ; L1.4 14.52,15.03 14.52,15.03 13.12,15.03 C57.2 12.69,14.6 v1(11.78,14.6) v1(11.78,13.95)
  L2_INT1 w0.5: v1(10.85,10.15) v1(11.5,10.15) ; v1(11.78,13.95) v1(11.78,14.6)
  L3_INT2 w0.5: v1(11.78,13.95) v1(11.78,14.6) ; v1(10.85,10.15) v1(11.5,10.15)
  L4_INT3 w0.5: v1(11.78,13.95) v1(11.78,14.6) ; v1(10.85,10.15) v1(11.5,10.15)
  L5_INT4 w0.5: v1(10.85,10.15) v1(11.5,10.15) 11.5,11.97 11.78,12.25 v1(11.78,13.95) v1(11.78,14.6)
  BOTTOM w0.5: v1(10.85,10.15) v1(11.5,10.15) ; v1(11.78,13.95) v1(11.78,14.6)
